# Altium PCB IMU_sensor.PcbDoc (part 1 of 2) (continued)
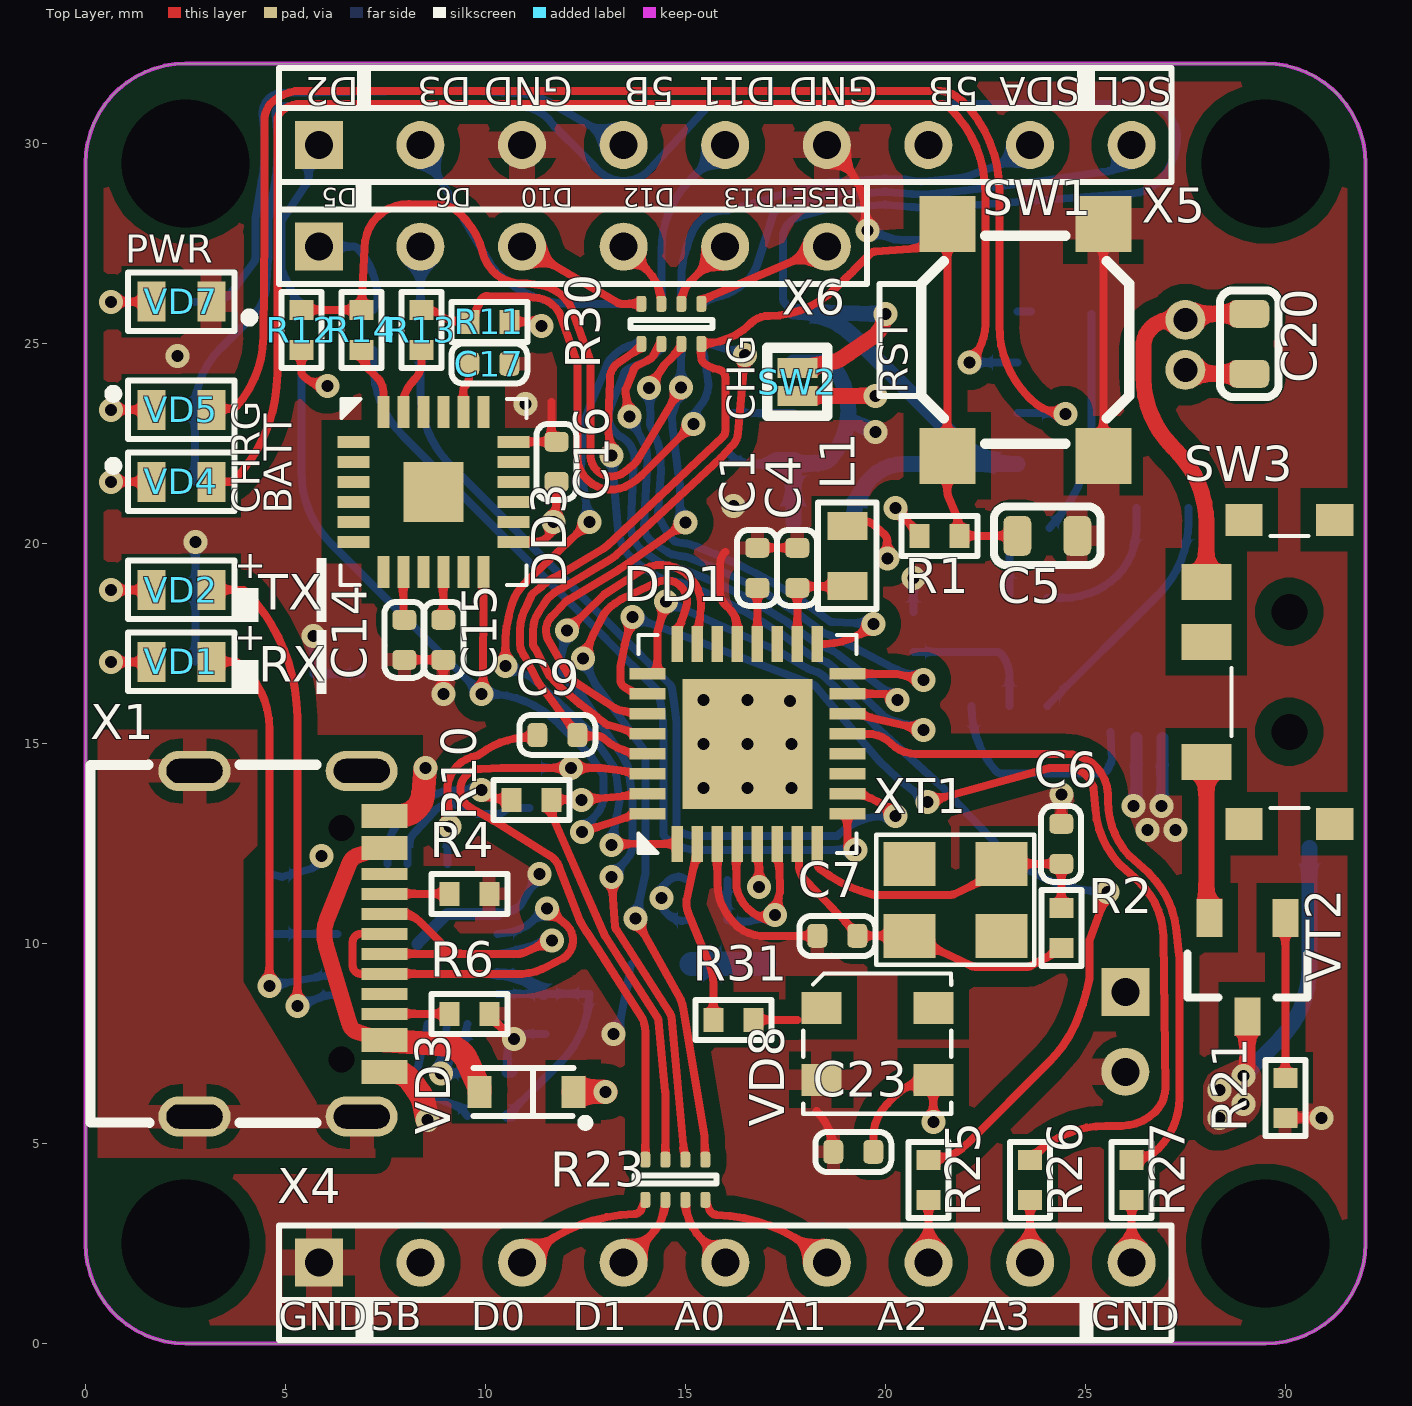
[diagram p0: Top Layer view]
## Design rules (kind name [scope] priority, off if disabled: settings) (continued)
PolygonConnect PolygonConnect_<=1.3 [(AsMM(PadXSize_AllLayers)<=1.31)or(AsMM(PadYSize_AllLayers)<=1.31)] p6: thpad.connectstyle=Relief thpad.reliefconductorwidth=0.66 thpad.reliefentries=4 thpad.polygonreliefangle="90 Angle" thpad.airgapwidth=0.3 smdpad.connectstyle=Relief smdpad.reliefconductorwidth=0.66 smdpad.reliefentries=4 smdpad.polygonreliefangle="90 Angle" smdpad.airgapwidth=0.3 via.connectstyle=Direct via.reliefconductorwidth=0.66 via.reliefentries=4 via.polygonreliefangle="90 Angle" via.airgapwidth=0.3
PolygonConnect PolygonConnect_<=1.6 [(AsMM(PadXSize_AllLayers)<=1.61)or(AsMM(PadYSize_AllLayers)<=1.61)] p7: thpad.connectstyle=Relief thpad.reliefconductorwidth=0.8 thpad.reliefentries=4 thpad.polygonreliefangle="90 Angle" thpad.airgapwidth=0.3 smdpad.connectstyle=Relief smdpad.reliefconductorwidth=0.8 smdpad.reliefentries=4 smdpad.polygonreliefangle="90 Angle" smdpad.airgapwidth=0.3 via.connectstyle=Direct via.reliefconductorwidth=0.8 via.reliefentries=4 via.polygonreliefangle="90 Angle" via.airgapwidth=0.3
PolygonConnect PolygonConnect_<=1.8 [(AsMM(PadXSize_AllLayers)<=1.8)or(AsMM(PadYSize_AllLayers)<=1.8)] p8: thpad.connectstyle=Relief thpad.reliefconductorwidth=1 thpad.reliefentries=4 thpad.polygonreliefangle="90 Angle" thpad.airgapwidth=0.3 smdpad.connectstyle=Relief smdpad.reliefconductorwidth=1 smdpad.reliefentries=4 smdpad.polygonreliefangle="90 Angle" smdpad.airgapwidth=0.3 via.connectstyle=Direct via.reliefconductorwidth=1 via.reliefentries=4 via.polygonreliefangle="90 Angle" via.airgapwidth=0.3
PolygonConnect PolygonConnect_<=2 [(AsMM(PadXSize_AllLayers)<=2.01)or(AsMM(PadYSize_AllLayers)<=2.01)] p9: thpad.connectstyle=Relief thpad.reliefconductorwidth=1.1 thpad.reliefentries=4 thpad.polygonreliefangle="90 Angle" thpad.airgapwidth=0.3 smdpad.connectstyle=Relief smdpad.reliefconductorwidth=1.1 smdpad.reliefentries=4 smdpad.polygonreliefangle="90 Angle" smdpad.airgapwidth=0.3 via.connectstyle=Direct via.reliefconductorwidth=1.1 via.reliefentries=4 via.polygonreliefangle="90 Angle" via.airgapwidth=0.3
PolygonConnect PolygonConnect_<=2.3 [(AsMM(PadXSize_AllLayers)<=2.31)or(AsMM(PadYSize_AllLayers)<=2.31)] p10: thpad.connectstyle=Relief thpad.reliefconductorwidth=1.2 thpad.reliefentries=4 thpad.polygonreliefangle="90 Angle" thpad.airgapwidth=0.3 smdpad.connectstyle=Relief smdpad.reliefconductorwidth=1.2 smdpad.reliefentries=4 smdpad.polygonreliefangle="90 Angle" smdpad.airgapwidth=0.3 via.connectstyle=Direct via.reliefconductorwidth=1.2 via.reliefentries=4 via.polygonreliefangle="90 Angle" via.airgapwidth=0.3
PolygonConnect PolygonConnect_<=2.5 [(AsMM(PadXSize_AllLayers)<=2.51)or(AsMM(PadYSize_AllLayers)<=2.51)] p11: thpad.connectstyle=Relief thpad.reliefconductorwidth=1.2 thpad.reliefentries=4 thpad.polygonreliefangle="90 Angle" thpad.airgapwidth=0.3 smdpad.connectstyle=Relief smdpad.reliefconductorwidth=1.2 smdpad.reliefentries=4 smdpad.polygonreliefangle="90 Angle" smdpad.airgapwidth=0.3 via.connectstyle=Direct via.reliefconductorwidth=1.2 via.reliefentries=4 via.polygonreliefangle="90 Angle" via.airgapwidth=0.3
PolygonConnect PolygonConnect_<=2.7 [(AsMM(PadXSize_AllLayers)<=2.71)or(AsMM(PadYSize_AllLayers)<=2.71)] p12: thpad.connectstyle=Relief thpad.reliefconductorwidth=1.4 thpad.reliefentries=4 thpad.polygonreliefangle="90 Angle" thpad.airgapwidth=0.3 smdpad.connectstyle=Relief smdpad.reliefconductorwidth=1.4 smdpad.reliefentries=4 smdpad.polygonreliefangle="90 Angle" smdpad.airgapwidth=0.3 via.connectstyle=Direct via.reliefconductorwidth=1.4 via.reliefentries=4 via.polygonreliefangle="90 Angle" via.airgapwidth=0.3
PolygonConnect PolygonConnect_<=3 [(AsMM(PadXSize_AllLayers)<=3.01)or(AsMM(PadYSize_AllLayers)<=3.01)] p13: thpad.connectstyle=Relief thpad.reliefconductorwidth=1.6 thpad.reliefentries=4 thpad.polygonreliefangle="90 Angle" thpad.airgapwidth=0.3 smdpad.connectstyle=Relief smdpad.reliefconductorwidth=1.6 smdpad.reliefentries=4 smdpad.polygonreliefangle="90 Angle" smdpad.airgapwidth=0.3 via.connectstyle=Direct via.reliefconductorwidth=1.6 via.reliefentries=4 via.polygonreliefangle="90 Angle" via.airgapwidth=0.3
PolygonConnect PolygonConnect_<7 [(AsMM(PadXSize_AllLayers)<7.01)or(AsMM(PadYSize_AllLayers)<=7.01)] p14: thpad.connectstyle=Relief thpad.reliefconductorwidth=2 thpad.reliefentries=4 thpad.polygonreliefangle="90 Angle" thpad.airgapwidth=0.35 smdpad.connectstyle=Relief smdpad.reliefconductorwidth=2 smdpad.reliefentries=4 smdpad.polygonreliefangle="90 Angle" smdpad.airgapwidth=0.35 via.connectstyle=Direct via.reliefconductorwidth=2 via.reliefentries=4 via.polygonreliefangle="90 Angle" via.airgapwidth=0.4
PolygonConnect [All] p15: thpad.connectstyle=Relief thpad.reliefconductorwidth=0.25 thpad.reliefentries=4 thpad.polygonreliefangle="90 Angle" thpad.airgapwidth=0.2 smdpad.connectstyle=Relief smdpad.reliefconductorwidth=0.25 smdpad.reliefentries=4 smdpad.polygonreliefangle="90 Angle" smdpad.airgapwidth=0.2 via.connectstyle=Direct via.reliefconductorwidth=0.25 via.reliefentries=4 via.polygonreliefangle="90 Angle" via.airgapwidth=0.2
RoutingCorners [All] p1: cornerstyle=45-Degree minsetback=2.5 maxsetback=2.5
RoutingVias [All] p1: holewidth=0.2 width=0.4 viastyle="Through Hole" minholewidth=0.2 minwidth=0.4 maxholewidth=3 maxwidth=4
ShortCircuit ShortCircuit_NoNet [InNet('No Net') vs InNet('No Net')] p1: allowed=TRUE
ShortCircuit ShortCircuit_GND [InNetClass('GND') vs InNetClass('GND')] p2: allowed=TRUE
ShortCircuit [All] p3: allowed=FALSE
SilkToSilkClearance [All] p1: silktosilkclearance=0
SilkToSolderMaskClearance SilkscreenOverComponentPads [IsPad] p1: minsilkscreentomaskgap=0 clearancetoexposedcopper=TRUE
SolderMaskExpansion SolderMaskExpansion_Via [IsVia] p1: expansion=0 istentingtop=FALSE
SolderMaskExpansion [All] p2: expansion=0.025 istentingtop=FALSE
UnConnectedPin [IsVia] p1:
Width [All] p1: maxlimit=3 minlimit=0.1 preferedwidth=0.1 minimp=50.000000 maximp=50.000000 favimp=50.000000
18 further rules are at their usual default settings.

## Classes and differential pairs
component class MCU_sensor_peripherial: R22 R23 R24 R25 R26 R27 R28 R29 R30 R31 VD8 X4 X5 X6 С23
component class IMU_sensor_pwr: DD4 DD5 DD6 R15 R16 R17 R18 R19 R20 R21 SW2 SW3 VD4 VD5 VD6 VD7 VT1 VT2 X2 X3 С18 С19 С20 С21 С22
component class IMU_sensor_mcu: DD1 DD2 L1 R1 R2 R3 R4 R5 R6 R7 R8 R9 R10 SW1 VD1 VD2 VD3 X1 XT1 С1 С2 С3 С4 С5 С6 С7 С8 С9 С10 С11 С12 С13
component class IMU_sensor_gyro: DD3 R11 R12 R13 R14 С14 С15 С16 С17

## Components (designator, comment, footprint, x,y, rotation, side; value= is the part's Value field where it differs from the comment)
DD1 "Atmega328P" VQFN32 16.55,15 r90 top
DD2 "CP2104" QFN24-PAD 8.3,10 r180 bottom
DD3 "MPU6050" QFN24-PAD 8.7,21.3 r0 top
DD4 "DW01A" SOT23-6 23.1,17.3 r90 bottom
DD5 "TP4056" SOP-8 20.5,23.9 r0 bottom
DD6 "LM1117GS-5.0" SOT-223 19.9,7.2 r0 bottom
L1 "0,1мк" L0603 19.05,19.7 r90 top
R1 "10к" R0402 21.35,20.2 r0 top
R2 "1М" R0402 24.4,10.4 r270 top
R3 "520" R0402 2.243,17.055 r0 bottom
R4 "5,1к" R0402 9.6,11.25 r0 top
R5 "520" R0402 2.243,18.855 r0 bottom
R6 "5,1к" R0402 9.6,8.25 r0 top
R7 "4,7к" R0402 10.05,5.7 r0 bottom
R8 "100к" R0402 5.705,16.25 r270 bottom
R9 "1к" R0402 11.1,13.9 r90 bottom
R10 "1к" R0402 11.15,13.6 r0 top
R11 "10к" R0402 10.1,25.55 r0 top
R12 "10к" R0402 5.4,25.35 r270 top
R13 "100" R0402 8.4,25.35 r270 top
R14 "100" R0402 6.9,25.35 r270 top
R15 "510" R0402 2.243,21.555 r0 bottom
R16 "1к" R0402 20.7,17.8 r90 bottom
R17 "510" R0402 2.243,23.355 r0 bottom
R18 "100" R0402 23.6,20.4 r0 bottom
R19 "1,2к" R0402 16.15,22.75 r90 bottom
R20 "510" R0402 2.243,26.05 r0 bottom
R21 "10к" R0402 30,6.15 r270 top
R22 "100" R0402 5.4,25.35 r90 bottom
R23 "100" R0402x4 13.6,3.202 r0 top
R24 "100" R0402x4 13.5,26.398 r0 bottom
R25 "100" R0402 21.08,4.1 r270 top
R26 "100" R0402 23.62,4.1 r270 top
R27 "100" R0402 26.16,4.1 r270 top
R28 "100" R0402 7.2,25.35 r90 bottom
R29 "100" R0402 8.378,25.3 r90 bottom
R30 "100" R0402x4 13.5,24.6 r0 top
R31 "360" R0402 16.2,8.1 r0 top
SW1 "" it-1187 23.5,25.1 r270 top
SW2 "" Jumper_0.5x1 17.8,24.05 r270 top
SW3 "" MK12C02 30.1,16.8 r270 top
VD1 "" "0603 - led" 2.4,17.05 r0 top
VD2 "" "0603 - led" 2.4,18.85 r0 top
VD3 "" SOD323 10.6,6.3 r180 top
VD4 "" "0603 - led" 2.4,21.55 r180 top
VD5 "" "0603 - led" 2.4,23.35 r180 top
VD6 "BZX384-C5V1" SOD323 29.85,12.4 r0 bottom
VD7 "" "0603 - led" 2.4,26.055 r0 top
VD8 "SK6812" 3535 19.8,7.5 r180 top
VT1 "FS8205A" TSSOP-8 26.6,18.1 r270 bottom
VT2 "IRLML2244TRPBF" SOT23 29.05,9.415 r270 top
X1 "USB Type-C" USB4105-15-A-120 0.132,10 r270 top
X2 "53048-0210" 53048-0210 27.5,25.6 r180 bottom
X3 "MW-2MR" MW-2MR 26,7.8 r180 bottom
X4 "PLS 1 x 9" "PLS2-9 - emty" 5.84,2.03 r90 top
X5 "PLS 1 x 9" "PLS2-9 - emty" 5.838,29.97 r90 top
X6 "" "PLS2-6 - emty" 5.838,27.43 r90 top
XT1 "16Мгц" KX-7 22.9,12 r180 top
С1 "0,1мк" C0402 16.82,19.9 r270 top
С2 "0,1мк" C0402 15.05,11.58 r0 bottom
С3 "0,1мк" C0402 15.05,10.58 r0 bottom
С4 "0,1мк" C0402 17.82,19.9 r270 top
С5 "0,1мк" C0603 24.05,20.2 r0 top
С6 "22" C0402 24.42,13 r270 top
С7 "22" C0402 18.3,10.22 r0 top
С8 "1мк" C0402 9.55,6.78 r0 bottom
С9 "0,1мк" C0402 12.3,15.2 r180 top
С10 "4,7мк" C0603 4.6,11 r270 bottom
С11 "0,01мк" C0402 6.88,16.75 r270 bottom
С12 "1мк" C0402 11.52,7.75 r90 bottom
С13 "0,1мк" C0402 12.58,9.75 r270 bottom
С14 "0,01мк" C0402 7.955,17.1 r90 top
С15 "0,1мк" C0402 8.93,17.1 r90 top
С16 "0,1мк" C0402 11.8,22.55 r270 top
С17 "0,022мк" C0402 10.6,24.48 r180 top
С18 "10мк" C0603 18.45,20.55 r180 bottom
С19 "10мк" C0603 22.55,27.6 r0 bottom
С20 "10мк" C0603 29.1,25 r270 top
С21 "10мк" C0603 14.4,9.5 r0 bottom
С22 "10мк" C0603 14.5,6 r90 bottom
С23 "0,1мк" C0402 18.7,4.82 r0 top

## Footprints (in the part's own frame and the unit in brackets; to place one, negate y for a bottom-side part, rotate by r counter-clockwise, add the part's x,y. Pads: shape width x height; smd on the part's side, far side on the other; paste and mask are expansions set on the pad)
"0603 - led" [mm]
  rect 0.7x1 smd: 1(-0.75,0) 2(0.75,0)
  Top Layer pour cut-out: -0.4,0.5 0.4,0.5 0.4,-0.5 -0.4,-0.5
  silkscreen extent -1.33,-0.73 1.8,0.73, body extent -0.82,-0.37 0.82,0.36, height 0.68
3535 [mm] "sk6812-mini"
  rect 1x0.8 smd: 1(-1.4,0.9) 2(-1.4,-0.9) 3(1.4,-0.9) 4(1.4,0.9)
  silkscreen extent -1.85,-1.75 1.85,1.75, body extent -1.85,-1.75 1.85,1.75, height 1.1
53048-0210 [mm]
  round 1 hole 0.6: 1(0,0) 2(0,-1.25)
  silkscreen extent -4.5,-2.78 1.1,1.53, body extent -4.45,-2.78 1.05,1.47, height 3.5
C0402 [mm]
  rrect50% 0.5x0.6 smd: 1(0,-0.02) 2(1,-0.02)
  silkscreen extent -0.45,-0.53 1.45,0.48, body extent 0,-0.28 1,0.22, height 0.5
C0603 [mm]
  rrect50% 0.7x1 smd: 1(-0.75,0) 2(0.75,0)
  Top Layer pour cut-out: -0.4,0.5 0.4,0.5 0.4,-0.5 -0.4,-0.5
  silkscreen extent -1.33,-0.73 1.33,0.73, body extent -0.8,-0.4 0.8,0.4, height 0.9
it-1187 [mm] "switch"
  rect 1.4x1.4 smd: 1(-2.9,1.95) 1(2.9,1.95) 2(-2.9,-1.95) 2(2.9,-1.95)
  silkscreen extent -2.6,-2.6 2.6,2.6, body extent -3.2,-2.6 3.2,2.6, height 1.5
Jumper_0.5x1 [mm]
  rect 0.5x1 smd mask+0.1: 1(-0.35,0) 2(0.35,0)
  silkscreen extent -0.85,-0.75 0.85,0.75
KX-7 [mm]
  rect 1.3x1.1 smd: 1(0,0) 2(2.3,0) 3(2.3,1.8) 4(0,1.8)
  silkscreen extent -0.82,-0.72 3.13,2.53, body extent -0.46,-0.35 2.76,2.15, height 0.81
L0603 [mm]
  rect 0.7x1 smd: 1(-0.75,0) 2(0.75,0)
  silkscreen extent -1.33,-0.73 1.33,0.73, body extent -0.82,-0.42 0.78,0.38, height 0.9
MK12C02 [mm] "переключатель SMD"
  rect 0.8x0.93 smd: 0(-3.8,-1.135) 0(-3.8,1.135) 0(3.8,-1.135) 0(3.8,1.135)
  rect 0.9x1.25 smd: 1(-2.25,-2.075) 2(-0.75,-2.075) 3(2.25,-2.075)
  round 0 hole 0.9: 13(1.5,0) 14(-1.5,0)
  silkscreen extent -3.4,-1.45 3.4,0.48, body extent -3.85,-2.2 3.85,2.8, height 1.4
MW-2MR [mm]
  rect 1.2x1.2 hole 0.7: 1(0,1)
  round 1.2 hole 0.7: 2(0,-1)
  silkscreen extent -6,-3 1.6,3, body extent -6,-2.95 1.6,2.95, height 4.8
"PLS2-6 - emty" [mm]
  rect 1.2x1.2 hole 0.7: 1(0,0)
  round 1.2 hole 0.7: 2(0,-2.54) 3(0,-5.08) 4(0,-7.62) 5(0,-10.16) 6(0,-12.7)
  silkscreen extent -0.93,-13.7 0.93,1
"PLS2-9 - emty" [mm]
  rect 1.2x1.2 hole 0.7: 1(0,0)
  round 1.2 hole 0.7: 2(0,-2.54) 3(0,-5.08) 4(0,-7.62) 5(0,-10.16) 6(0,-12.7) 7(0,-15.24) 8(0,-17.78) 9(0,-20.32)
  silkscreen extent -0.93,-21.32 0.93,1
QFN24-PAD [mm] "QFN 24Pin"
  rect 0.8x0.3 smd: 1(-2,1.25) 2(-2,0.75) 3(-2,0.25) 4(-2,-0.25) 5(-2,-0.75) 6(-2,-1.25) 13(2,-1.25) 14(2,-0.75) 15(2,-0.25) 16(2,0.25) 17(2,0.75) 18(2,1.25)
  rect 1.5x1.5 smd: 2(0,0)
  rect 0.3x0.8 smd: 7(-1.25,-2) 8(-0.75,-2) 9(-0.25,-2) 10(0.25,-2) 11(0.75,-2) 12(1.25,-2) 19(1.25,2) 20(0.75,2) 21(0.25,2) 22(-0.25,2) 23(-0.75,2) 24(-1.25,2)
  silkscreen extent -2.32,-2.32 2.32,2.32, body extent -2,-2 2,2, height 0.75
R0402 [mm]
  rect 0.5x0.6 smd: 1(-0.5,0) 2(0.5,0)
  silkscreen extent -0.95,-0.5 0.95,0.5, body extent -0.5,-0.23 0.5,0.28, height 0.36
R0402x4 [mm]
  rrect50% 0.25x0.4 smd: 1(0.4,0.398) 2(0.4,1.4) 3(0.9,0.398) 4(0.9,1.4) 5(1.4,0.398) 6(1.4,1.4) 7(1.9,0.398) 8(1.9,1.4)
  silkscreen extent 0.12,0.8 2.17,1, body extent 0.15,0.4 2.15,1.4, height 0.35
SOD323 [mm]
  rect 0.6x0.8 smd: 1(-1.6,0) 2(0.75,0)
  silkscreen extent -2,-0.6 0.9,0.87, body extent -1.68,-0.68 0.82,0.67, height 1
SOP-8 [mm] "SOP127P600X175-8N, SOP, 8-Leads, Body 4,91x3,95mm, Pitch 1,27mm, IPC Medium Density"
  oval 1.4x0.6 smd: 1(-2.8,1.905) 2(-2.8,0.635) 3(-2.8,-0.635) 4(-2.8,-1.905) 5(2.8,-1.905) 6(2.8,-0.635) 7(2.8,0.635) 8(2.8,1.905)
  silkscreen extent -1.7,-2.55 1.7,2.55, body extent -2.1,-2.55 2.1,2.55, height 1.75
SOT23 [mm] "mosfet"
  rect 0.95x0.65 smd: 1(-1.235,0.95) 2(-1.235,-0.95) 3(1.235,0)
  silkscreen extent -0.34,-1.5 0.76,1.5, body extent -1.25,-1.5 1.25,1.5, height 1.05
SOT23-6 [mm] "SOT95P280X145-6N, SOT23, 6-Leads, Body 2,90x2,80mm, Pitch 0,95mm, IPC Medium Density"
  rect 1x0.6 smd: 1(-1.35,0.95) 2(-1.35,0) 3(-1.35,-0.95) 4(1.35,-0.95) 5(1.35,0) 6(1.35,0.95)
  silkscreen extent -1.47,-1.55 0.45,1.93, body extent -0.85,-1.55 0.85,1.55, height 1.45
SOT-223 [mm] "MC33269"
  rect 2.15x1 smd: 1(-2.925,2.3) 2(-2.925,0) 3(-2.925,-2.3)
  rect 2.15x3.3 smd: 4(2.925,0)
  silkscreen extent -1.55,-3.35 1.55,3.35, body extent -3.48,-3.25 3.48,3.25, height 1.65
TSSOP-8 [mm]
  rect 1.6x0.35 smd: 1(-2.8,0.975) 2(-2.8,0.325) 3(-2.8,-0.325) 4(-2.8,-0.975) 5(2.8,0.975) 6(2.8,0.325) 7(2.8,-0.325) 8(2.8,-0.975)
  silkscreen extent -1.73,-1.5 1.73,1.5, body extent -3.2,-1.5 3.2,1.5, height 1.17
USB4105-15-A-120 [mm] "USB Type-c 16p USB4105-15-A-120"
  rect 0.3x1.15 smd: 1(-1.75,7.355) 2(-1.25,7.355) 3(-0.75,7.355) 4(-0.25,7.355) 5(0.25,7.355) 6(0.75,7.355) 7(1.25,7.355) 8(1.75,7.355)
  rect 0.6x1.15 smd: 9(-2.4,7.355) 9(2.4,7.355) 10(-3.2,7.355) 10(3.2,7.355)
  oval 1x1.8 hole 0.6 slot 1.4 at 90 deg: TP(-4.32,6.78) TP(-4.32,2.6) TP(4.32,6.78) TP(4.32,2.6)
  round 0 hole 0.65 unplated: ""(-2.89,6.28) ""(2.89,6.28)
  silkscreen extent -4.47,0 4.47,5.65, body extent -4.47,0 4.47,7.7, height 3.26
VQFN32 [mm]
  rect 0.9x0.28 smd mask+0.05: 1(-2.5,1.75) 2(-2.5,1.25) 3(-2.5,0.75) 4(-2.5,0.25) 5(-2.5,-0.25) 6(-2.5,-0.75) 7(-2.5,-1.25) 8(-2.5,-1.75) 17(2.5,-1.75) 18(2.5,-1.25) 19(2.5,-0.75) 20(2.5,-0.25) 21(2.5,0.25) 22(2.5,0.75) 23(2.5,1.25) 24(2.5,1.75)
  rect 0.28x0.9 smd mask+0.05: 9(-1.75,-2.5) 10(-1.25,-2.5) 11(-0.75,-2.5) 12(-0.25,-2.5) 13(0.25,-2.5) 14(0.75,-2.5) 15(1.25,-2.5) 16(1.75,-2.5) 25(1.75,2.5) 26(1.25,2.5) 27(0.75,2.5) 28(0.25,2.5) 29(-0.25,2.5) 30(-0.75,2.5) 31(-1.25,2.5) 32(-1.75,2.5)
  rect 3.25x3.25 smd mask+0.05: 33(0,0)
  silkscreen extent -2.73,-2.73 2.73,2.73, body extent -2.58,-2.57 2.57,2.58, height 1

## Part data
DD1: "Atmega328P-MU", Name=Atmega328P
DD4: "контроллер заряда", Name=DW01A
DD5: "линейное зарядное устройство", Name=TP4056
DD6: library part LM1117, Contact_1=IN+, Contact_2=GND, Contact_3=OUT+, Name=LM1117GS-5.0
L1: library part индуктивность
R1 R2 R3 R4 R5 R6 R7 R8 R9 R10 R11 R12 R13 R14 R15 R16 R17 R18 R19 R20 R21 R22 R25 R26 R27 R28 R29 R31: library part "Резистор 0.05Вт", "Резистор 0,05Вт"
R23 R24 R30: library part "Резисторная сборка 0.05 x 4"
SW1: library part button
SW2: library part Jumper, "Запаиваемая перемычка"
SW3: library part switch
VD1 VD2 VD4 VD5 VD7: library part smd_led, "smd led"
VD3: library part DiodeSchottky, "Диод Шоттки"
VD6: library part стабилитрон, Name=BZX384-C5V1
VD8: "светодиод с пиксельной адресацией SK6812 4020", Name=SK6812
VT1: "мофсфет", Name=FS8205A
VT2: "мосфет n-канал IRLML2244TRPBF", Name=IRLML2244TRPBF
X1: library part USB4105, "USB Type-C USB4105-GF-A / GCT", Contact_1=SBU2, Contact_2=CC1, Contact_3=Dn2, Contact_4=Dp1, Contact_5=Dn1, Contact_6=Dp2, Contact_7=SBU1, Contact_8=CC2, Contact_9=VCC, Contact_10=GND, Name="USB Type-C"
X2 X3: library part Header_2, "Разъем - 3 конт. розетка", Contact_1=VCC, Contact_2=GND, Contact_3=TP
  X2: Name=53048-0210
  X3: Name=MW-2MR
X6: library part "PLS 1 x 6", Contact_1=PD5, Contact_2=PD6, Contact_3=PB2, Contact_4=MISO, Contact_5=SCK, Contact_6=RESET, Name="PLS 1 x 6"
XT1: library part Резонатор, "12.88605 / Geyer", Name=12.88605
С1 С2 С3 С4 С5 С6 С7 С8 С9 С10 С11 С12 С13 С14 С15 С16 С17 С18 С19 С20 С21 С22 С23: library part "Кер. конденсатор"
DD2: Наименование=CP2104
DD3: Name=MPU6050
X4: Contact_1=GND, Contact_2=VCC, Contact_3=PD0, Contact_4=PD1, Contact_5=PC0, Contact_6=PC1, Contact_7=PC2, Contact_8=PC3, Contact_9=PB1, Name="PLS 1 x 9"
X5: Contact_1=PD2, Contact_2=PD3, Contact_3=GND, Contact_4=VCC, Contact_5=PB3, Contact_6=GND, Contact_7=VCC, Contact_8=PC4, Contact_9=PC5, Name="PLS 1 x 9"

## Free pads (board coordinates)
  round 0 hole 3.2: 15(2.506,2.506) 15(2.506,29.506) 15(29.506,2.506) 15(29.506,29.506)

## Via types
v1: diameter 0.6, hole 0.3, Top Layer to Bottom Layer, tented both sides, 79 vias
v2: diameter 0.6, hole 0.3, Top Layer to Bottom Layer, tented bottom, 9 vias

## Nets (pads, with @x,y where several pads share a name; then routed paths per layer and width w, separated by ;. In a path a pad name is that pad's centre, name@x,y a point inside that pad or via, vN(x,y) a via of type N, cw(c..) or ccw(c..) an arc to the next point about the centre after c; other vN are vias at no path point)
+5В: DD2.7 DD2.8 DD3.13 DD6.2 L1.2 R1.1 R11.2 R12.2 R20.2 SW2.2 VD3.1 VD6.2 VD8.1 VT2.3 X4.2 X5.4 X5.7 С8.1 С16.2 С22.2 С23.2 | length 146.6
  Top Layer w0.2: R12.2@5.4,24.85 5.4,24.324 ccw(c5.579,24.324) 5.453,24.197 ccw(c6.05,24.795) v1(6.05,23.95) ; R11.2@10.6,25.55 11.159,25.55 cw(c11.159,25.209) v1(11.4,25.45) ; DD3.13@10.7,20.05 11.25,20.05 ccw(c11.25,20.5) 11.7,20.5 v1(11.7,20.55) ccw(c11.7,20.63) 11.78,20.63 С16.2@11.78,21.55 ; L1.2@19.05,20.45 19.45,20.542 19.481,20.549 cw(c19.525,20.354) 19.631,20.524 19.734,20.46 cw(c19.628,20.291) 19.764,20.437 19.981,20.235 cw(c19.844,20.089) 20.044,20.096 v1(20.061,19.631) ; С23.2@19.7,4.8 19.7,4.975 19.7,5.154 cw(c20.895,5.155) 20.05,6 20.261,6.211 cw(c21.2,5.272) VD8.1@21.2,6.6 v1(21.2,5.55) ; v1(20.25,20.9) 20.7,20.4 R1.1@20.85,20.2
  Top Layer w0.4: SW2.2@17.8,23.7 18.1,23.7 v1(19.75,23.7) ; v1@28.331,5.631 v1(28.35,5.65) ; v1(28.95,6.7) ccw(c28.709,6.941) 29.05,6.941 VT2.3@29.05,8.18
  Top Layer w0.6: VD3.1@12.2,6.3 v1(13,6.3)
  GND (Mid2) w0.4: v1(6.05,23.95) 6.05,23.552 ccw(c8.59,23.552) 6.794,21.756 7.256,21.294 ccw(c9.052,23.09) 9.052,20.55 v1(11.7,20.55) ; v1(8.896,6.762) ccw(c10.012,7.878) 10.012,6.3 v1@12.852,6.3 ; v1(11.4,25.45) cw(c10.676,24.726) 11.7,24.726 v1(11.7,20.55) ; X5.4@13.458,29.97 ccw(c14.128,29.97) 13.654,29.496 X5.4@13.656,29.494 ; 17.198,6.3 ccw(c17.198,8.84) 18.994,7.044 22.006,10.056 ccw(c20.21,11.852) 22.75,11.852 22.75,17.348 ccw(c20.21,17.348) 22.006,19.144 v1(20.25,20.9) ; v1@19.859,23.698 v1(19.75,23.7) ccw(c19.75,22.778) 19.098,23.43 ccw(c19.696,22.832) 18.85,22.832 18.85,22.65 ccw(c19.695,22.65) 19.097,22.053 v1(20.25,20.9) ; X5.7@20.944,29.646 ccw(c20.62,29.97) X5.7@21.078,29.97 ; v1(11.7,20.55) ccw(c12.622,20.55) 11.97,19.898 ccw(c12.613,20.54) 12.613,19.631 v1(20.061,19.631) 20.061,20.444 cw(c20.706,20.444) v1(20.25,20.9)
  GND (Mid2) w0.8: X4.2@8.38,2.03 cw(c10.432,2.03) 8.981,3.481 11.056,5.556 cw(c12.852,3.76) 12.852,6.3 v1(13,6.3) 17.198,6.3 19.343,6.3 cw(c19.343,3.566) 21.276,5.499 ccw(c21.925,6.148) 21.571,5.301 ccw(c22.33,7.126) 22.331,5.15 27.143,5.15 ccw(c27.143,6.857) v1(28.35,5.65) ; X5.4@13.656,29.494 ccw(c15.452,31.29) 15.452,28.75 19.456,28.75 ccw(c19.456,30.179) 20.466,29.169 X5.7@20.944,29.646 ; X5.7@21.078,29.97 ccw(c26.656,29.97) 22.711,26.026 22.713,26.025 ccw(c24.352,27.667) 24.484,25.35 cw(c24.484,23.984) 25.45,24.95 cw(c24.364,23.864) 25.9,23.864 25.9,18.102 ccw(c28.44,18.102) 26.644,16.306 28.206,14.744 cw(c26.41,12.948) 28.95,12.948 v1(28.95,6.7)
  Bottom Layer w0.2: R20.2@2.743,26.05 3.481,26.155 ccw(c3.453,26.353) 3.613,26.233 4.21,27.03 ccw(c4.05,27.15) 4.25,27.15 4.25,28.004 cw(c5.1,28.004) 4.26,28.135 4.4,29.032 ccw(c4.203,29.063) 4.401,29.039 cw(c4.6,29.016) 4.407,29.069 ccw(c2.982,29.466) 4.456,29.341 ccw(c-2.249,29.908) 4.429,30.737 4.428,30.744 cw(c4.626,30.767) 4.427,30.776 4.427,30.778 cw(c4.951,30.75) 4.945,31.275 9.241,31.327 ccw(c9.239,31.527) 9.246,31.327 cw(c9.427,25.839) 9.653,31.325 cw(c9.631,30.801) 9.662,31.325 10.893,31.257 cw(c10.818,29.865) 11.42,31.123 11.601,31.036 cw(c11.515,30.855) 11.613,31.03 ; v1@8.871,7.014 9,7.7 DD2.8@9.05,8 ; v1(8.896,6.762) 9.425,6.762 С8.1@9.55,6.8 ; v1@8.988,7.012 9.186,7.152 ccw(c9.071,7.316) 9.19,7.155 ccw(c9.074,7.318) 9.217,7.178 ccw(c8.369,8) 9.508,7.687 9.511,7.7 DD2.7@9.55,8 ; 11.614,31.029 X5.4@13.458,29.97
  Bottom Layer w0.4: v1(28.95,6.7) 29.856,7.606 ccw(c28.06,9.402) 30.6,9.402 VD6.2@30.6,12.4
  other v1: 28.95,6 28.35,6.35
A0: R23.5 X4.5 | length 1.9
  Top Layer w0.2: R23.5@15,3.6 ccw(c16.376,3.6) 15.403,2.627 X4.5@16,2.03
A1: R23.7 X4.6 | length 3.6
  Top Layer w0.2: R23.7@15.5,3.6 15.525,3.54 15.606,3.345 ccw(c15.79,3.423) 15.782,3.223 cw(c15.655,-0.855) X4.6@18.54,2.03
A2: R25.2 X4.7 | length 1.6
  Top Layer w0.2: X4.7@21.08,2.03 R25.2@21.08,3.6
A3: R26.2 X4.8 | length 1.6
  Top Layer w0.2: X4.8@23.62,2.03 R26.2@23.62,3.6
BAT+: DD5.5 R18.2 SW3.1 X2.1 С19.2 С20.1 | length 15.4
  Top Layer w0.4: SW3.1@28.025,19.05 28.025,20.523 ccw(c25.485,20.523) 27.281,22.319 27.194,22.406 cw(c28.99,24.202) 26.45,24.202 26.45,24.917 cw(c27.133,24.917) 26.65,25.4 cw(c27.133,24.917) 27.133,25.6 X2.1@27.5,25.6 27.533,25.633 cw(c27.816,25.35) 27.816,25.75 С20.1@29.1,25.75
  Bottom Layer w0.2: DD5.5@23.3,25.805 DD5.5@23.645,25.805 ; R18.2@24.1,20.4 ccw(c21.565,22.935) 25.15,22.935 25.15,25.75
BAT-: DD4.6 VT1.2 VT1.3 X2.2 С20.2 | length 5.3
  Top Layer w0.4: X2.2@27.5,24.35 ccw(c27.765,24.65) 27.765,24.25 С20.2@29.1,24.25
  Bottom Layer w0.2: DD4.6@24.05,18.65 24.472,18.65 ccw(c24.472,20.528) 25.8,19.2 ccw(c24.653,20.347) 26.275,20.347 VT1.2@26.275,20.9
D5: R28.2 X6.1 | length 2.7
  Bottom Layer w0.2: X6.1@5.838,27.43 6.685,27.43 cw(c6.684,27.23) 6.834,27.362 cw(c5.391,26.099) 7.308,26.142 cw(c7.108,26.139) 7.291,26.059 7.266,26 R28.2@7.2,25.85
D6: R29.2 X6.2 | length 1.6
  Bottom Layer w0.2: R29.2@8.378,25.8 X6.2@8.378,27.43
D9: R27.2 X4.9 | length 1.6
  Top Layer w0.2: X4.9@26.16,2.03 R27.2@26.16,3.6
GND: DD1.3 DD1.5 DD1.21 DD2.2 DD3.18 DD5.1 DD5.3 DD6.1 R3.2 R4.2 R5.2 R6.2 R8.1 R16.2 R19.1 R21.2 SW1.1 VD6.1 VD7.2 VD8.4 VT1.6 VT1.7 X1.10 X3.2 X4.1 X5.3 X5.6 С1.1 С2.1 С3.1 С4.1 С5.2 С6.1 С7.1 С8.2 С10.1 С11.1 С12.1 С13.1 С14.1 С15.1 С16.1 С17.1 С18.2 С19.1 С21.1 С22.1 С23.1 | length 59.8
  Top Layer w0.2: С14.1@7.975,17.1 С15.1@8.95,17.1 v1(8.95,16.25) ; R6.2@10.1,8.25 10.25,8.05 v1(10.718,7.615) ; R4.2@10.1,11.25 R4.2@10.25,11.45 ; DD3.18@10.7,22.55 С16.1@11.78,22.55 11.65,22.675 11.65,23.55 ; DD1.3@15.8,12.5 15.8,11.52 ccw(c17.156,11.518) 16.116,10.648 ccw(c16.944,11.185) 16.877,10.2 ; 16,19.8 ccw(c16.315,19.485) 15.87,19.485 15.87,18.774 ccw(c16.278,18.774) 15.989,18.486 16.125,18.35 cw(c15.702,17.927) 16.3,17.927 DD1.21@16.3,17.5 ; С1.1@16.771,20.029 16.772,20.025 С1.1@16.8,19.9 С4.1@17.8,19.9 ; DD1.5@16.8,12.5 16.84,12.15 16.849,11.482 cw(c16.649,11.479) v1@16.84,11.419 ; 16.878,10.2 ccw(c16.891,10.4) 16.89,10.2 С7.1@18.3,10.2 ; 18.276,5.824 cw(c17.251,4.8) С23.1@18.7,4.8 ; X5.6@18.538,29.97 18.837,29.67 cw(c17.117,27.95) 19.463,28.594 cw(c19.271,28.54) 19.47,28.559 19.472,28.537 ccw(c19.671,28.557) 19.473,28.532 v1(19.56,27.837) ; С6.1@24.4,13 v1(24.4,13.731) ; SW1.1@25.45,22.2 SW1.1@25.45,28 ; R21.2@30,5.65 v1(30.9,5.65)
  Top Layer w0.6: X1.10@7.487,6.8 7.762,6.8 7.844,6.776 cw(c7.676,6.2) 8.172,6.538 8.367,6.252 8.368,6.25 cw(c7.87,5.916) 8.456,6.041 v1(8.55,5.6) ; X1.10@7.487,13.2 7.851,13.2 ccw(c7.851,13.8) 8.449,13.753 v1(8.5,14.4)
  Bottom Layer w0.2: R3.2@2.743,17.055 2.75,17.062 v1(2.75,20.05) ; С10.1@4.6,11.75 4.925,11.672 5.653,11.878 ccw(c5.598,12.07) 5.772,11.972 v1(5.9,12.2) ; v1(5.7,17.7) 5.7,16.755 R8.1@5.705,16.75 С11.1@6.9,16.75 ; DD2.2@10.3,10.75 10.6,10.8 10.799,10.898 ccw(c10.7,11.1) 10.893,10.985 v1(11.35,11.75) ; С8.2@10.55,6.8 10.55,7.238 cw(c11.062,7.238) 10.7,7.6 cw(c11.062,7.238) v1@10.717,7.616 ; v1(10.718,7.615) v1@10.717,7.616 ; С12.1@11.5,7.75 11.062,7.75 ccw(c11.062,7.238) v1@10.717,7.616 ; v1(13.2,7.75) 13.26,7.791 ccw(c13.148,7.957) 13.345,7.919 13.587,9.175 С21.1@13.65,9.5 ; v1@14.41,11.14 v1(14.407,11.14) ; С3.1@15.05,10.6 14.925,10.575 14.916,10.575 cw(c14.916,10.775) 14.883,10.577 cw(c14.989,11.19) 14.552,10.748 14.531,10.769 cw(c14.835,11.074) 14.406,11.115 ccw(c14.207,11.133) v1(14.407,11.14) ; С2.1@15.05,11.6 14.925,11.652 14.904,11.661 ccw(c14.826,11.476) 14.799,11.674 ccw(c14.86,11.24) 14.55,11.55 14.466,11.466 ccw(c14.607,11.324) 14.407,11.324 v1(14.407,11.14) ; R19.1@16.1,22.25 ccw(c16.716,22.866) 16.716,21.995 DD5.1@17.3,21.995 ; v1(19.56,27.837) 20.208,27.618 ccw(c20.271,27.808) 20.246,27.609 20.248,27.609 ccw(c20.395,28.795) 20.395,27.6 С19.1@21.8,27.6 ; R16.2@20.7,18.3 v1(20.7,19.15)
  Bottom Layer w0.3: DD2.2@8.3,10 9.05,10.75 DD2.2@10.3,10.75 ; С8.2@10.55,6.8 С8.2@10.65,6.805 ; v1(26.2,13.45) ccw(c26.019,13.631) 26.275,13.631 VT1.6@26.275,15.15 ; v1(26.9,13.45) ccw(c26.84,13.51) 26.925,13.51 VT1.7@26.925,15.15
  Bottom Layer w0.4: С18.2@17.7,20.55 DD5.1@17.7,21.995 18.358,22.019 ccw(c18.341,22.419) 18.645,22.159 ccw(c17.274,23.327) 19.062,23.105 ; DD5.3@17.7,24.535 18.41,24.541 cw(c18.415,24.141) 18.739,24.374 cw(c17.274,23.327) 19.062,23.105 ; v1(19.75,22.8) 19.062,23.105
  Bottom Layer w0.6: DD5.1@17.3,21.995 DD5.1@17.7,21.995
  other v1: 16.839,11.418 26.55,12.85 27.25,12.85 16.2,20.95 11,23.5 2.3,24.7
INT0_D2: R22.2 X5.1 | length 4.5
  Bottom Layer w0.2: 4.921,26.81 cw(c5.1,26.899) 4.9,26.899 4.9,28.004 cw(c5.1,28.004) 4.934,28.116 5.498,28.956 cw(c5.664,28.844) 5.524,28.987 ccw(c5.382,29.128) 5.582,29.128 5.582,29.47 X5.1@5.838,29.97 ; 4.921,26.809 4.938,26.776 cw(c4.759,26.687) 4.949,26.748 4.952,26.738 ccw(c5.238,26.83) 4.993,26.656 4.999,26.649 cw(c4.836,26.533) 5.014,26.624 5.325,26 R22.2@5.4,25.85
INT1_D3: R24.1 X5.2 | length 7.5
  Bottom Layer w0.2: X5.2@8.378,29.97 ccw(c8.577,29.983) 8.405,29.881 10.119,27.014 cw(c9.948,26.911) 10.124,27.005 ccw(c10.918,27.43) 10.35,26.732 10.549,26.57 ccw(c12.152,28.54) 12.152,26 R24.1@13.9,26
LED_D4: R31.2 VD8.3 | length 1.1
  Top Layer w0.2: R31.2@16.7,8.1 17.8,8.1
MCU_A0: DD1.23 R23.6 | length 19.9
  Top Layer w0.2: v1(12.042,17.826) 12.963,18.721 cw(c13.102,18.578) 12.973,18.73 cw(c13.102,18.578) 12.994,18.746 13.948,19.362 ; v1(13.161,11.67) 13.234,10.593 ; 13.234,10.592 13.244,10.455 ccw(c13.443,10.469) 13.274,10.362 ; 13.275,10.361 14.473,8.493 14.62,8.264 cw(c14.452,8.156) 14.651,8.174 14.975,4.702 R23.6@15,4.602 ; 13.948,19.362 cw(c14.056,19.194) 13.968,19.373 cw(c14.401,18.482) 15.387,18.395 15.387,18.393 15.34,17.85 DD1.23@15.3,17.5
  Bottom Layer w0.2: v1(12.042,17.826) 11.894,17.183 ccw(c12.089,17.138) 11.889,17.127 11.908,16.796 ccw(c12.107,16.809) 11.962,16.672 11.963,16.671 12.423,16.19 cw(c12.278,16.052) 12.445,16.163 13.184,15.052 cw(c12.206,14.4) 13.185,15.051 cw(c12.206,14.4) 13.186,15.049 13.46,14.64 cw(c12.753,14.167) 13.596,14.275 13.669,13.701 ccw(c13.868,13.727) 13.671,13.692 cw(c13.154,13.602) 13.679,13.602 13.682,12.53 cw(c13.482,12.529) 13.681,12.516 13.676,12.435 cw(c13.152,12.47) 13.552,12.13 v1(13.161,11.67)
MCU_A1: DD1.24 R23.8 | length 18.3
  Top Layer w0.2: v1(12.443,17.134) 12.728,17.785 cw(c12.911,17.705) 12.734,17.798 12.975,18.251 cw(c13.67,17.79) 13.235,18.503 ; 13.237,18.504 ccw(c13.134,18.675) 13.247,18.51 13.38,18.601 cw(c13.677,18.168) 13.454,18.643 14.283,19.033 ccw(c14.198,19.214) 14.285,19.034 cw(c14.373,18.855) 14.293,19.038 14.304,19.043 cw(c14.516,18.563) 15.027,18.442 15.021,18.418 cw(c14.827,18.464) 15.017,18.404 14.84,17.85 DD1.24@14.8,17.5 ; v1(13.758,10.629) 14.877,8.615 cw(c14.702,8.518) 14.887,8.594 cw(c13.8,8.148) 14.959,8.342 15.484,5.2 cw(c15.287,5.167) 15.487,5.173 15.487,5.171 ; 15.487,5.169 15.487,4.702 R23.8@15.5,4.602
  Bottom Layer w0.2: v1(12.443,17.134) 12.738,16.514 ccw(c12.918,16.6) 12.757,16.481 13.961,14.851 cw(c13.8,14.732) 14,14.733 14.009,11.798 cw(c13.809,11.798) 14.005,11.755 v1(13.758,10.629)
MCU_A2: DD1.25 R25.1 | length 24.1
  Top Layer w0.2: DD1.25@14.05,16.75 14.3,16.79 14.3,17.746 cw(c14.5,17.746) 14.307,17.798 v1(14.516,18.563) ; R25.1@21.08,4.6 ccw(c21.08,5.976) 22.053,5.003 24.106,7.056 ccw(c21.857,9.305) 24.84,8.202 ccw(c18.664,10.486) 25.095,9.072 ; 25.096,9.073 ccw(c24.9,9.115) 25.1,9.115 25.1,10.03 cw(c25.3,10.03) 25.112,10.099 v1(25.55,11.3)
  Bottom Layer w0.2: v1(14.516,18.563) 17.32,17.321 ; 17.321,17.321 cw(c17.238,17.138) 17.347,17.306 ccw(c17.457,17.473) 17.352,17.303 17.944,16.944 ccw(c18.552,17.95) 18.137,16.85 18.303,16.788 cw(c18.117,16.297) 18.484,16.673 19.709,15.489 ccw(c20.3,16.1) 19.725,15.474 21.39,13.95 ccw(c21.525,14.098) 21.393,13.947 21.394,13.946 cw(c21.05,13.55) 21.431,13.912 22.846,12.422 ccw(c22.991,12.559) 22.855,12.412 ; 22.856,12.411 cw(c22.721,12.264) 22.861,12.407 ccw(c25.55,15.119) v1(25.55,11.3)
MCU_A3: DD1.26 R26.1 | length 28
  Top Layer w0.2: v1(13.682,18.171) 13.489,17.486 ccw(c13.682,17.433) 13.486,17.473 13.379,16.933 ccw(c13.6,16.89) 13.378,16.927 ccw(c13.6,16.89) 13.375,16.902 ccw(c13.6,16.89) 13.375,16.89 13.375,16.61 ccw(c13.6,16.61) 13.375,16.608 ccw(c13.6,16.61) 13.376,16.593 ccw(c13.6,16.61) 13.485,16.416 13.7,16.29 DD1.26@14.05,16.25 ; v1(21.05,13.55) 24.057,14.382 cw(c24.111,14.189) 24.111,14.389 24.721,14.389 cw(c24.689,14.191) 24.755,14.38 ; R26.1@23.62,4.6 23.726,4.706 cw(c25.522,2.91) 25.522,5.45 25.905,5.45 ccw(c25.905,6.645) 26.75,5.8 ccw(c26.146,6.404) 27,6.404 26.955,10.145 26.954,10.195 ccw(c26.754,10.192) 26.954,10.197 ccw(c25.064,10.146) 26.499,11.377 26.35,11.55 ; 24.756,14.38 cw(c24.499,13.674) 25.115,14.104 cw(c24.951,13.99) 25.151,13.999 cw(c25.007,13.86) 25.206,13.878 25.252,13.36 ccw(c27.545,13.548) 25.853,11.99 ccw(c26.24,12.345) 25.895,11.949 26.35,11.55
  Bottom Layer w0.2: v1(13.682,18.171) 18.188,16.484 cw(c18.117,16.297) 18.27,16.427 19.85,14.57 ccw(c20.003,14.698) 19.865,14.553 20.304,14.138 ccw(c20.442,14.283) 20.319,14.125 v1(21.05,13.55)